# Altium PCB DB_Main-X02.PcbDoc (part 3 of 3)
Units mm, origin at the board's own origin, x right, y up, seen from the top; angles counter-clockwise.
Board outline 99.57 x 76.45 mm, 2 copper layers (Top Layer, Bottom Layer), stack 1.711 mm thick; 208 components, 125 nets, 636 pads, 236 vias.
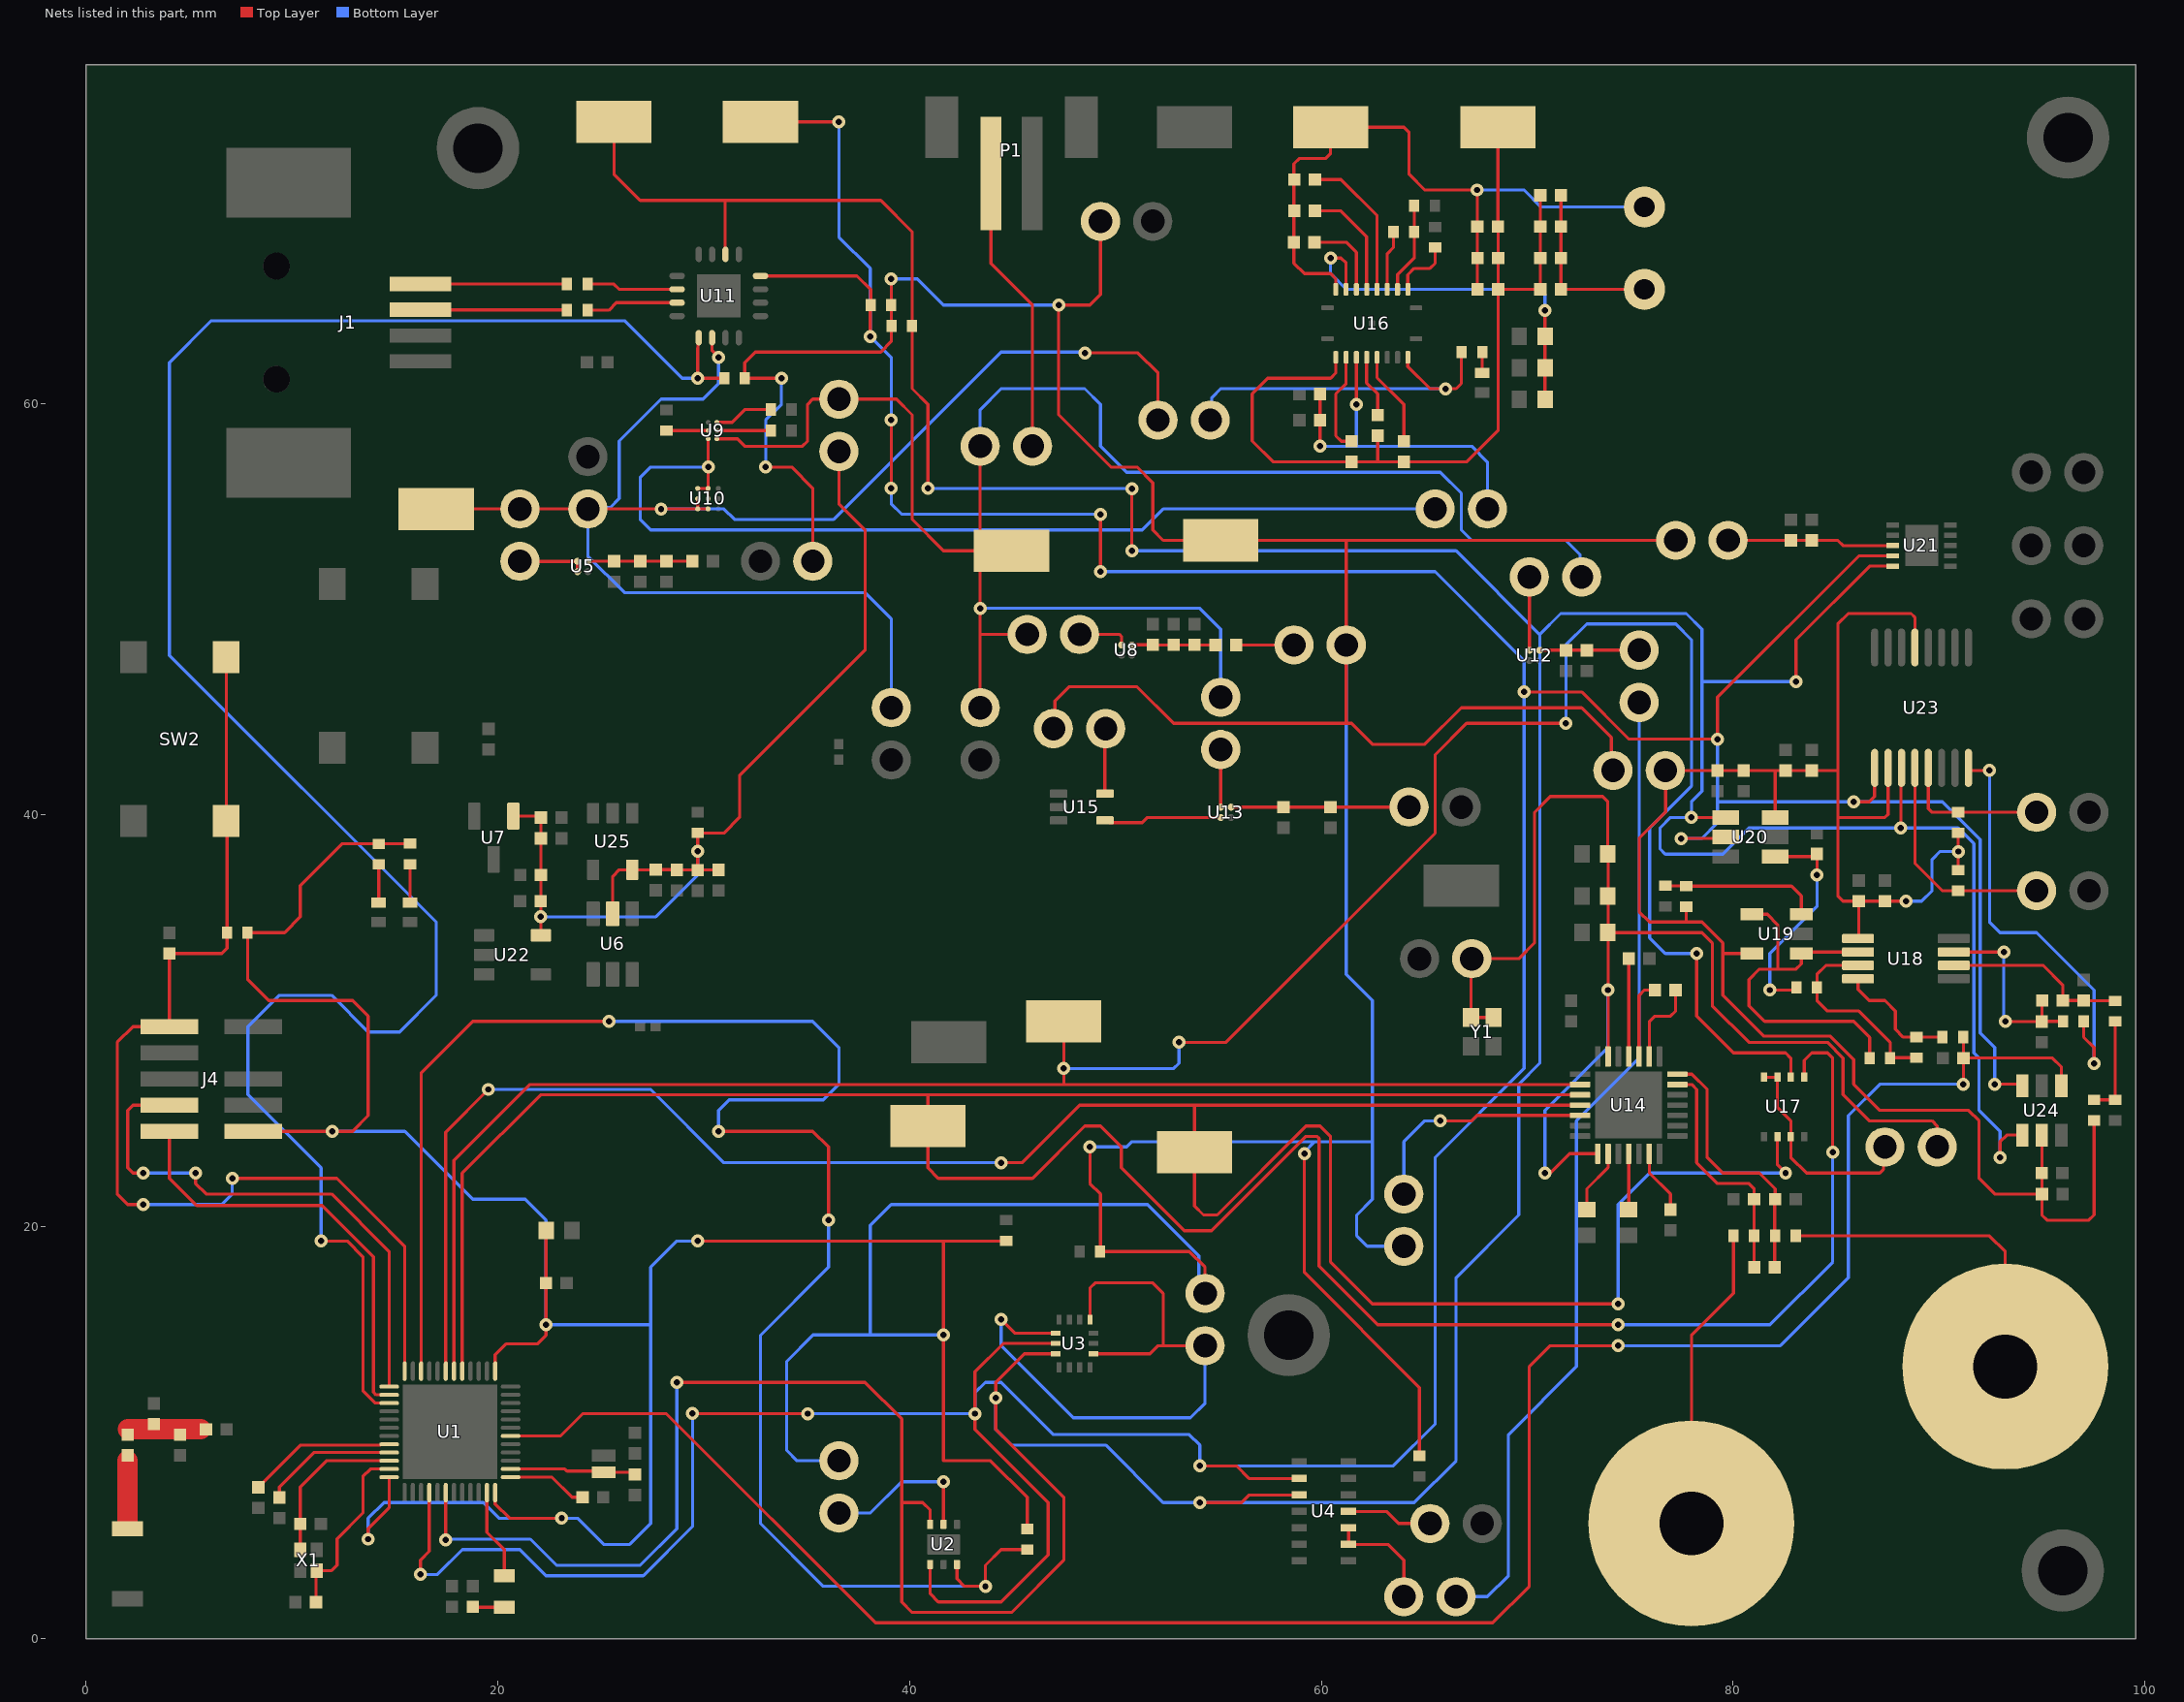
[diagram p3: the nets of this part, all layers, seen from the top]

## Via types
v1: diameter 0.635, hole 0.305, Top Layer to Bottom Layer, 235 vias
v2: diameter 0.635, hole 0.305, Top Layer to Bottom Layer, tented top, 1 vias

## Nets (pads, with @x,y where several pads share a name; then routed paths per layer and width w, separated by ;. In a path a pad name is that pad's centre, name@x,y a point inside that pad or via, vN(x,y) a via of type N, cw(c..) or ccw(c..) an arc to the next point about the centre after c; other vN are vias at no path point) (continued)
NetC3_1: C3.1 C6.1 C7.1 C8.2 C9.1 C11.1 C12.1 C13.2 C14.2 C15.2 TP13.1 U16.2 | length 43.2
  Top Layer w0.152: U16.2@60.706,62.232 60.706,61.468 60.452,61.214 57.404,61.214 56.642,60.452 56.642,58.166 57.65,57.158 C9.1@61.468,57.158 61.476,57.15 62.742,57.15 ; C3.1@62.738,58.42 62.738,57.154 62.742,57.15 ; TP13.1@68.58,73.406 C11.1@68.58,68.58 68.596,68.564 C12.1@68.596,67.056 ; C7.1@68.588,65.532 68.596,65.524 68.596,58.69 67.056,57.15 C6.1@64.008,57.15 62.742,57.15 ; C12.1@68.588,67.056 C12.1@68.596,67.056 ; C13.2@70.644,70.104 C8.2@70.644,68.58 C14.2@70.644,67.056 C15.2@70.644,65.532 C7.1@68.596,65.532 C12.1@68.596,67.056
NetC3_2: C3.2 U16.5 | length 3
  Top Layer w0.152: U16.5@62.206,62.232 62.206,60.984 62.738,60.452 C3.2@62.738,59.42
NetC4_1: C4.1 C5.1 C7.2 C10.1 C11.2 C12.2 L1.1 TP14.1 U16.19 | length 33.8
  Top Layer w0.152: C5.1@58.69,70.866 C5.1@58.698,70.874 ; U16.19@60.706,65.532 60.706,66.04 60.452,66.294 59.182,66.294 58.674,66.802 C4.1@58.674,67.818 58.674,71.628 58.928,71.882 60.198,71.882 60.452,72.136 TP14.1@60.452,73.406 64.008,73.406 64.262,73.152 64.262,71.12 65.024,70.358 v1(67.564,70.358) 67.58,70.342 C11.2@67.58,68.58 C7.2@67.58,65.532
  Bottom Layer w0.152: v1(67.564,70.358) 69.85,70.358 70.676,69.532 L1.1@75.692,69.532
NetC4_2: C4.2 U16.17 | length 4
  Top Layer w0.152: C4.2@59.674,67.818 61.214,67.818 61.706,67.326 U16.17@61.706,65.532
NetC5_2: C5.2 U16.15 | length 7.3
  Top Layer w0.152: C5.2@59.69,70.866 60.96,70.866 62.706,69.12 U16.15@62.706,65.532
NetC6_2: C6.2 U16.6 | length 4.6
  Top Layer w0.152: U16.6@62.706,62.232 62.706,61.246 64.008,59.944 C6.2@64.008,58.15 C6.2@64.024,58.166
NetC8_1: C8.1 C13.1 C14.1 C15.1 L1.2 | length 8.9
  Top Layer w0.152: C13.1@71.644,70.104 C8.1@71.644,68.58 C14.1@71.644,67.056 C15.1@71.644,65.532 L1.2@75.692,65.532 L1.2@75.882,65.722
NetC9_2: C9.2 U16.3 | length 4.9
  Top Layer w0.152: U16.3@61.206,62.232 61.206,60.952 60.706,60.452 60.706,58.42 60.968,58.158 C9.2@61.468,58.158
NetC10_2: C10.2 U16.16 | length 5.6
  Top Layer w0.152: C10.2@59.69,69.342 60.96,69.342 62.206,68.096 U16.16@62.206,65.532
NetC16_1: C16.1 C17.1 C18.1 U16.18 | length 18.8
  Top Layer w0.152: v1(60.452,67.056) 60.96,67.056 61.206,66.81 U16.18@61.206,65.532 ; C18.1@70.866,60.198 C17.1@70.866,61.722 C16.1@70.866,63.246 v1(70.866,64.516)
  Bottom Layer w0.152: v1(60.452,67.056) 60.452,66.294 61.214,65.532 70.612,65.532 70.866,65.278 v1(70.866,64.516)
NetC19_2: C19.2 U1.2 X2.2 | length 6.1
  Top Layer w0.152: U1.2@20.632,8.236 23.26,8.236 23.368,8.128 25.088,8.128 X2.2@25.146,8.07 26.572,8.07 C19.2@26.67,7.972
NetC20_2: C20.2 C21.2 TP15.1 U16.4 | length 17.6
  Top Layer w0.152: v1(59.944,57.912) C21.2@59.944,59.182 C20.2@59.944,60.452 ; v1(61.706,59.944) U16.4@61.706,62.232
  Bottom Layer w0.152: v1(59.944,57.912) 61.722,57.912 ; v1(61.706,59.944) 61.706,57.928 61.722,57.912 ; TP15.1@68.072,54.864 68.072,57.15 67.31,57.912 61.722,57.912
NetC22_1: C22.1 U1.34 X1.3 | length 7.9
  Top Layer w0.152: X1.3@10.414,4.302 C22.1@10.414,5.572 10.414,7.366 11.684,8.636 U1.34@14.732,8.636
NetC23_1: C23.1 U1.35 X1.1 | length 8.9
  Top Layer w0.152: C23.1@11.176,1.762 11.176,3.264 X1.1@11.214,3.302 11.938,3.302 12.208,3.572 12.208,4.842 13.462,6.096 13.462,7.874 13.824,8.236 U1.35@14.732,8.236
NetC24_1: C24.1 U1.1 | length 3.9
  Top Layer w0.152: U1.1@20.632,7.836 22.644,7.836 23.622,6.858 C24.1@24.13,6.858
NetC26_1: C26.1 U1.32 | length 7.2
  Top Layer w0.152: C26.1@8.382,7.35 10.43,9.398 14.306,9.398 14.344,9.436 U1.32@14.732,9.436
NetC27_1: C27.1 U1.33 | length 6.8
  Top Layer w0.152: C27.1@9.398,6.842 9.398,7.366 11.068,9.036 U1.33@14.732,9.036 ; C27.1@9.398,6.85 C27.1@9.544,6.996
NetC30_2: C30.2 C31.1 L4.1 L5.2 | length 3.6
  Top Layer w0.152: L4.1@2.032,10.144 L4.1@2.048,10.16
  Top Layer w0.991: L4.1@2.048,10.16 C30.2@5.588,10.16
NetC32_1: C32.1 C33.1 C36.2 L6.1 U8.A2 | length 4.1
  Top Layer w0.152: U8.A2@50.8,48.26 50.808,48.268 C32.1@51.816,48.268 ; C32.1@51.816,48.26 L6.1@54.872,48.26
NetC41_1: C41.1 C42.2 TP17.1 U12.A2 | length 4.6
  Top Layer w0.152: U12.A2@70.608,48.002 70.612,48.006 C42.2@72.644,48.006 ; C42.2@72.898,47.998 72.906,48.006 TP17.1@75.438,48.006
NetC43_1: C43.1 C44.2 TP16.1 U13.A2 | length 8.6
  Top Layer w0.152: U13.A2@55.618,40.378 55.626,40.386 TP16.1@64.262,40.386
NetC45_1: C45.1 U14.9 | length 4.2
  Top Layer w0.152: U14.9@75.93,28.268 75.93,29.956 76.2,30.226 76.962,30.226 77.208,30.472 C45.1@77.208,31.496
NetC45_2: C45.2 U14.10 | length 3.9
  Top Layer w0.152: U14.10@75.43,28.268 75.43,31.234 75.692,31.496 C45.2@76.208,31.496
NetC46_2: C46.2 U14.11 | length 4.8
  Top Layer w0.152: U14.11@74.93,28.268 C46.2@74.93,33.02
NetC47_2: C47.2 U14.23 | length 3.1
  Top Layer w0.152: C47.2@72.898,20.828 72.898,21.844 73.93,22.876 U14.23@73.93,23.548
NetC48_1: C48.1 U14.27 | length 3.1
  Top Layer w0.152: U14.27@75.93,23.548 75.93,22.622 76.962,21.59 C48.1@76.962,20.828
NetC49_2: C49.2 U14.25 | length 2.7
  Top Layer w0.152: C49.2@74.93,20.828 U14.25@74.93,23.548
NetC50_2: C50.2 C52.1 R26.2 U14.7 | length 12.8
  Top Layer w0.152: U14.7@77.29,27.408 78.002,27.408 78.74,26.67 78.74,23.368 79.502,22.606 81.28,22.606 82.042,21.844 C50.2@82.042,21.336 ; C52.1@82.026,18.034 82.026,19.558 C50.2@82.026,21.336
NetC51_1: C51.1 C52.2 R27.2 U14.6 | length 11.7
  Top Layer w0.152: U14.6@77.29,26.908 77.994,26.908 78.232,26.67 78.232,23.114 79.248,22.098 80.772,22.098 81.018,21.852 C51.1@81.018,21.336 81.026,21.328 81.026,19.558 C52.2@81.026,18.034
NetC54_1: C54.1 C55.1 C56.2 L7.1 U5.A2 | length 5.1
  Top Layer w0.152: U5.A2@24.38,52.32 24.384,52.324 C54.1@25.654,52.324 C55.1@26.924,52.324 C56.2@28.194,52.324 L7.1@29.464,52.324
NetC57_2: C57.2 C58.1 R36.2 U18.2 | length 9
  Top Layer w0.152: U18.2@90.717,32.695 95.067,32.695 96.012,31.75 C58.1@96.012,30.988 C57.2@97.028,30.988 97.044,30.972 R36.2@98.552,30.972
NetC58_2: C58.2 C59.1 R37.2 U18.3 | length 9.8
  Top Layer w0.152: U18.3@90.788,33.274 U18.3@90.717,33.345 v1(93.147,33.345) ; v1(93.218,29.972) 93.226,29.964 C59.1@94.996,29.964 ; C58.2@95.012,30.988 94.996,30.972 C59.1@94.996,29.964 ; R37.2@96.028,29.972 95.004,29.972 C59.1@94.996,29.964
  Bottom Layer w0.152: v1(93.147,33.345) 93.147,30.043 v1(93.218,29.972)
NetC67_1: C67.1 C68.1 TP44.2 U21.8 | length 8.1
  Top Layer w0.152: TP44.2@79.756,53.34 C67.1@82.804,53.34 C68.1@83.82,53.34 85.09,53.34 85.344,53.086 U21.8@87.754,53.086
NetD1_A: D1.A R6.1 | length 1
  Top Layer w0.152: D1.A@67.818,61.468 R6.1@67.818,62.484
NetD2_A: D2.A R4.2 | length 1.9
  Top Layer w0.152: D2.A@15.748,35.748 R4.2@15.748,37.608
NetD4_A: D4.A R16.2 | length 1.9
  Top Layer w0.152: D4.A@14.224,35.748 R16.2@14.224,37.6
NetE1_1: E1.1 L4.2 | length 3
  Top Layer w0.991: E1.1@2.032,5.588 L4.2@2.032,8.636
NetJ2_1: J2.1 R26.1 | length 16.1
  Top Layer w0.152: R26.1@83.042,19.558 92.456,19.558 93.218,18.796 J2.1@93.218,13.208
NetJ3_1: J3.1 R27.1 | length 14.8
  Top Layer w0.152: J3.1@77.978,5.588 77.978,14.732 80.018,16.772 R27.1@80.018,19.558
NetL2_2: L2.2 L3.1 | length 1.5
  Top Layer w0.152: L2.2@18.796,1.54 18.812,1.524 L3.1@20.32,1.524
NetL3_2: L3.2 U1.47 | length 4.4
  Top Layer w0.152: U1.47@19.482,7.086 19.482,5.156 20.32,4.318 L3.2@20.32,3.048
NetL6_2: L6.2 TP11.1 | length 2.8
  Top Layer w0.152: L6.2@55.872,48.26 TP11.1@58.674,48.26
NetP1_1: P1.1 TP18.2 | length 14.1
  Top Layer w0.152: P1.1@43.958,71.156 43.958,66.786 45.974,64.77 TP18.2@45.974,57.912
NetR8_2: R8.2 U9.B1 | length 2.6
  Top Layer w0.152: U9.B1@30.646,58.674 R8.2@33.274,58.674
NetR9_2: R9.2 U9.B2 | length 2
  Top Layer w0.152: R9.2@28.194,58.674 U9.B2@30.226,58.674
NetR11_2: R11.2 U9.C1 | length 2.9
  Top Layer w0.152: U9.C1@30.646,59.074 31.388,59.074 32.004,59.69 R11.2@33.274,59.69
NetR12_1: R12.1 R13.2 U16.13 | length 4.4
  Top Layer w0.152: U16.13@63.706,65.532 63.706,66.246 64.516,67.056 R12.1@64.516,69.596
NetR13_1: R13.1 U16.14 | length 2.9
  Top Layer w0.152: U16.14@63.206,65.532 63.206,67.27 63.508,67.572 R13.1@63.508,68.326
NetR14_1: R14.1 U16.12 | length 3
  Top Layer w0.152: U16.12@64.206,65.532 64.206,66.238 64.516,66.548 65.278,66.548 65.532,66.802 R14.1@65.532,67.564
NetR24_1: R24.1 R25.2 U18.8 | length 6.1
  Top Layer w0.152: U18.8@86.067,32.045 86.067,31.535 86.614,30.988 87.376,30.988 87.884,30.48 87.884,29.591 88.265,29.21 R25.2@88.9,29.21 R24.1@90.17,29.21
NetR25_1: R25.1 R31.2 R32.1 U18.7 | length 9.9
  Top Layer w0.152: U18.7@86.067,32.695 84.511,32.695 84.074,32.258 84.074,30.988 84.582,30.48 86.106,30.48 87.63,28.956 R31.2@87.63,28.194 87.646,28.21 R25.1@88.9,28.21
NetR28_2: R28.2 U11.7 | length 4.5
  Top Layer w0.152: R28.2@24.368,64.516 25.4,64.516 25.766,64.882 U11.7@28.702,64.882
NetR29_2: R29.2 U11.6 | length 4.4
  Top Layer w0.152: R29.2@24.368,65.786 25.654,65.786 25.908,65.532 U11.6@28.702,65.532
NetR31_1: R31.1 U18.6 U19.1 U19.4 | length 18.5
  Top Layer w0.152: U19.4@80.912,35.174 81.666,35.174 82.169,34.671 82.169,32.512 ; U18.6@86.067,33.345 83.383,33.345 U19.1@83.312,33.274 83.312,32.766 83.058,32.512 82.169,32.512 ; R31.1@86.63,28.194 86.63,29.194 85.852,29.972 81.534,29.972 80.772,30.734 80.772,32.004 81.28,32.512 82.169,32.512
NetR33_2: R33.2 R35.1 U19.3 | length 7.7
  Top Layer w0.152: R35.1@76.708,36.56 77.708,36.56 R33.2@77.724,36.544 82.836,36.544 83.312,36.068 U19.3@83.312,35.174 U19.3@83.328,35.158
NetTP24_1: TP24.1 U8.A1 | length 2.5
  Top Layer w0.152: TP24.1@48.26,48.768 50.211,48.768 50.3,48.679 U8.A1@50.3,48.26
NetTP26_1: TP26.1 U14.19 | length 11.6
  Top Layer w0.152: v1(65.786,25.146) 67.31,25.146 67.572,25.408 U14.19@72.57,25.408
  Bottom Layer w0.152: TP26.1@64.008,21.59 64.008,24.13 65.024,25.146 v1(65.786,25.146)
NetTP28_1: TP28.1 U5.A1 U5.B1 | length 3.3
  Top Layer w0.152: TP28.1@21.082,52.324 21.086,52.32 U5.A1@23.88,52.32 U5.B1@23.88,51.82
NetTP29_2: TP29.2 U4.11 | length 4.2
  Top Layer w0.152: U4.11@61.328,6.172 63.17,6.172 63.754,5.588 TP29.2@65.278,5.588
NetTP30_2: TP30.2 U4.9 U4.10 | length 5.6
  Top Layer w0.152: U4.10@61.328,5.372 U4.9@61.328,4.572 63.246,4.572 64.008,3.81 TP30.2@64.008,2.032
NetTP31_1: TP31.1 U13.A1 | length 2
  Top Layer w0.152: U13.A1@55.118,40.378 TP31.1@55.118,42.418
NetTP32_2: TP32.2 U15.5 | length 3.2
  Top Layer w0.152: U15.5@49.494,41.036 49.494,44.16 TP32.2@49.53,44.196
NetTP33_2: TP33.2 U12.A1 | length 3.6
  Top Layer w0.152: TP33.2@70.104,51.562 70.108,51.558 U12.A1@70.108,48.002
NetTP34_2: TP34.2 U3.5 U3.8 U3.12 | length 32.2
  Top Layer w0.152: v1(44.45,15.494) 45.113,14.831 U3.12@47.105,14.831 ; U3.8@48.768,15.494 48.768,17.018 49.022,17.272 51.816,17.272 52.324,16.764 52.324,14.224 ; U3.5@48.93,13.832 51.678,13.832 52.07,14.224 52.324,14.224 ; TP34.2@54.356,14.224 52.324,14.224
  Bottom Layer w0.152: v1(44.45,15.494) 44.45,14.224 47.955,10.719 53.645,10.719 54.356,11.43 TP34.2@54.356,14.224
NetTP35_2: TP35.2 U2.5 | length 7.8
  Top Layer w0.152: U2.5@41.656,5.547 v1(41.656,7.62)
  Bottom Layer w0.152: TP35.2@36.576,6.096 38.1,6.096 39.624,7.62 v1(41.656,7.62)
NetTP39_2: TP39.2 U17.3 U17.7 U17.8 | length 10.8
  Top Layer w0.152: U17.8@81.504,27.264 U17.7@82.154,27.264 82.154,25.796 82.804,25.146 U17.3@82.804,24.384 82.804,23.368 83.566,22.606 87.122,22.606 87.3,22.784 87.3,23.8 TP39.2@87.376,23.876
NetU13_B1: U13.B1 U15.4 | length 5.8
  Top Layer w0.152: U15.4@49.494,39.848 49.718,39.624 51.308,39.624 51.562,39.878 U13.B1@55.118,39.878
nRESET: C40.2 J4.10 R18.2 SW2.1 SW2.2 U1.24 | length 53.4
  Top Layer w0.152: v1(2.794,21.082) 2.032,21.082 1.524,21.59 1.524,28.956 2.286,29.718 4.061,29.718 4.061,33.271 C40.2@4.064,33.274 6.604,33.274 6.858,33.528 R18.2@6.858,34.29 6.858,39.677 SW2.2@6.822,39.713 SW2.1@6.822,47.663 ; v1(7.112,22.352) 12.192,22.352 13.97,20.574 15.482,19.062 U1.24@15.482,12.986
  Bottom Layer w0.152: v1(2.794,21.082) 6.604,21.082 7.112,21.59 v1(7.112,22.352)
SCL_I2C: R5.2 TP1.1 U1.40 U2.1 U3.13 U4.2 U11.16 U20.5 U21.9 U23.1 U24.3 | length 260.8
  Top Layer w0.152: v1(16.256,3.111) 16.256,3.81 16.682,4.236 U1.40@16.682,7.086 ; v1(29.469,10.927) 29.474,10.922 v1(35.052,10.922) ; U11.16@32.752,66.182 37.45,66.182 38.116,65.516 R5.2@38.116,64.77 ; TP1.1@32.766,73.66 v1(36.576,73.66) ; v1(38.1,63.246) R5.2@38.1,64.77 ; v1(39.116,55.88) v1(39.116,59.182) ; U2.1@41.006,3.597 41.006,2.174 41.402,1.778 44.45,1.778 46.736,4.064 46.736,6.604 43.18,10.16 v1(43.18,10.922) 43.18,12.954 44.558,14.332 U3.13@47.105,14.332 ; v1(49.276,51.816) v1(49.276,54.61) ; v1(54.102,8.382) 55.88,8.382 56.49,7.772 U4.2@58.928,7.772 ; v1(69.85,45.974) 72.644,45.974 74.93,43.688 v1(79.248,43.688) 79.248,45.72 86.114,52.586 U21.9@87.754,52.586 ; v1(77.47,38.862) 79.576,38.862 U20.5@79.642,38.928 ; v1(85.852,40.64) 86.614,40.64 86.868,40.894 86.868,42.276 U23.1@86.879,42.287 ; v1(92.71,26.924) 93.976,26.924 U24.3@94.046,26.854
  Bottom Layer w0.152: v1(16.256,3.111) 17.081,3.111 18.288,4.318 21.082,4.318 22.352,3.048 27.073,3.048 29.464,5.439 29.464,10.922 v1(29.469,10.927) ; v1(35.052,10.922) v1(43.18,10.922) 43.18,11.938 43.688,12.446 44.45,12.446 46.99,9.906 53.594,9.906 54.102,9.398 v1(54.102,8.382) 63.5,8.382 65.532,10.414 65.532,23.368 69.85,27.686 v1(69.85,45.974) 69.85,47.498 65.532,51.816 v1(49.276,51.816) ; v1(36.576,73.66) 36.576,68.072 38.1,66.548 v1(38.1,63.246) 39.116,62.23 v1(39.116,59.182) ; v1(39.116,55.88) 39.116,55.118 39.624,54.61 v1(49.276,54.61) ; v1(77.47,38.862) 78.486,38.862 79.248,39.624 79.248,40.64 ; v1(79.248,43.688) 79.248,40.64 ; v1(92.71,26.924) 92.71,28.702 91.999,29.413 91.999,38.811 90.17,40.64 v1(85.852,40.64) 79.248,40.64
SDA_I2C: R7.2 TP2.1 U1.42 U2.6 U3.14 U4.3 U11.2 U20.4 U21.10 U23.3 U24.4 | length 280.3
  Top Layer w0.152: v1(17.482,4.788) U1.42@17.482,7.086 ; TP2.1@25.654,73.66 25.654,71.12 26.924,69.85 31.052,69.85 ; v1(28.702,12.446) 37.846,12.446 39.624,10.668 39.624,6.604 ; U11.2@31.052,67.232 31.052,69.85 ; R7.2@40.124,63.754 40.132,63.746 40.132,60.706 40.894,59.944 v1(40.894,55.88) ; R7.2@40.132,63.754 40.132,68.326 38.608,69.85 31.052,69.85 ; U2.6@41.006,5.547 41.006,6.238 40.64,6.604 39.624,6.604 ; U3.14@47.105,13.832 45.582,13.832 44.196,12.446 v1(44.196,11.684) 44.196,10.16 47.498,6.858 47.498,3.81 44.958,1.27 40.132,1.27 39.624,1.778 39.624,6.604 ; v1(50.8,52.832) v1(50.8,55.842) ; v1(54.102,6.604) 56.134,6.604 56.502,6.972 U4.3@58.928,6.972 ; v1(77.978,39.878) U20.4@79.642,39.878 ; v1(83.058,46.482) 83.058,48.514 86.63,52.086 U21.10@87.754,52.086 ; v1(88.138,39.37) 88.159,39.391 88.159,42.266 U23.3@88.179,42.287 ; v1(92.964,23.368) 92.964,24.13 93.288,24.454 U24.4@94.046,24.454
  Bottom Layer w0.152: v1(17.482,4.788) 17.52,4.826 21.59,4.826 22.86,3.556 26.924,3.556 28.702,5.334 v1(28.702,12.446) ; v1(40.894,55.88) 40.913,55.861 50.781,55.861 v1(50.8,55.842) ; v1(44.196,11.684) 44.196,10.16 44.958,9.398 49.53,9.398 52.324,6.604 v1(54.102,6.604) 64.516,6.604 66.548,8.636 66.548,17.526 69.596,20.574 69.596,26.924 70.612,27.94 70.612,48.768 ; v1(50.8,52.832) 66.548,52.832 70.612,48.768 ; v1(83.058,46.482) 78.486,46.482 ; v1(92.964,23.368) 92.964,24.638 91.948,25.654 91.948,28.194 91.694,28.448 91.694,38.608 90.932,39.37 v1(88.138,39.37) 80.772,39.37 79.502,38.1 76.708,38.1 76.454,38.354 76.454,39.37 76.962,39.878 v1(77.978,39.878) 77.978,40.64 78.486,41.148 78.486,46.482 ; 70.612,48.768 71.628,49.784 77.724,49.784 78.486,49.022 78.486,46.482
SG_S1: R10.2 TP25.2 U23.4 | length 11.1
  Top Layer w0.152: U23.4@88.829,42.287 88.829,37.663 90.17,36.322 TP25.2@94.742,36.322
SG_S2: R22.2 TP45.2 U23.5 | length 7.3
  Top Layer w0.152: U23.5@89.479,42.287 89.479,40.315 89.662,40.132 TP45.2@94.742,40.132
SPI_CLK: TP9.1 U1.18 U14.16 U17.6 | length 141.6
  Top Layer w0.152: U1.18@17.882,12.986 17.882,23.216 21.574,26.908 50.546,26.908 U14.16@72.57,26.908 ; 47.498,26.924 v1(47.498,27.686) TP9.1@47.498,29.972 ; v1(53.086,28.956) 55.372,28.956 65.532,39.116 65.532,42.926 67.056,44.45 v1(71.882,44.45) ; v1(78.232,33.274) 78.232,30.226 80.01,28.448 82.55,28.448 82.804,28.194 U17.6@82.804,27.264
  Bottom Layer w0.152: v1(47.498,27.686) 52.832,27.686 53.086,27.94 v1(53.086,28.956) ; v1(71.882,44.45) 71.882,48.26 72.898,49.276 77.216,49.276 77.978,48.514 77.978,41.402 75.946,39.37 75.946,34.036 76.708,33.274 v1(78.232,33.274)
SPI_SDI: TP6.1 U1.17 U14.17 U17.5 | length 139.9
  Top Layer w0.152: U1.17@18.282,12.986 18.282,22.6 22.09,26.408 40.894,26.408 ; U14.17@72.57,26.408 45.974,26.408 40.894,26.408 ; v1(74.422,15.24) 62.738,15.24 59.891,18.087 59.891,24.295 59.802,24.384 59.235,24.384 54.663,19.812 53.34,19.812 50.292,22.86 50.292,23.876 49.276,24.892 48.514,24.892 45.974,22.352 41.402,22.352 40.894,22.86 TP6.1@40.894,24.892 40.894,26.408 ; U17.5@83.454,27.264 83.454,28.082 83.82,28.448 84.582,28.448 84.836,28.194 v1(84.836,23.622)
  Bottom Layer w0.152: v1(74.422,15.24) 81.788,15.24 84.836,18.288 v1(84.836,23.622)
SPI_SDO: TP10.1 U1.19 U14.18 U17.2 | length 120.3
  Top Layer w0.152: U1.19@17.482,12.986 17.482,24.594 v1(19.558,26.67) ; v1(44.45,23.114) 45.466,23.114 48.26,25.908 53.848,25.908 ; U14.18@72.57,25.908 53.848,25.908 ; v1(74.422,16.256) 62.484,16.256 60.452,18.288 60.452,24.384 59.944,24.892 59.259,24.892 54.941,20.574 54.28,20.574 53.848,21.006 TP10.1@53.848,23.622 53.848,25.908 ; U17.2@82.154,24.384 82.154,23.002 v1(82.55,22.606)
  Bottom Layer w0.152: v1(19.558,26.67) 27.432,26.67 30.988,23.114 v1(44.45,23.114) ; v1(74.422,16.256) 74.422,21.082 75.946,22.606 v1(82.55,22.606)
SWD_CLK: J4.4 U1.25 | length 26.2
  Top Layer w0.152: v1(2.794,22.606) 2.286,22.606 2.032,22.86 2.032,25.654 2.286,25.908 J4.4@4.061,25.908 ; v1(5.334,22.606) 5.334,22.098 5.842,21.59 11.938,21.59 14.732,18.796 U1.25@14.732,12.236
  Bottom Layer w0.152: v1(2.794,22.606) v1(5.334,22.606)
SWD_DIO: J4.2 U1.26 | length 21.2
  Top Layer w0.152: J4.2@4.061,24.638 4.061,22.355 5.385,21.031 11.481,21.031 13.97,18.542 13.97,11.961 14.095,11.836 U1.26@14.732,11.836
TMP117_ALERT: R17.2 U1.22 U2.3 | length 88.6
  Top Layer w0.152: U1.22@16.282,12.986 16.282,27.458 18.796,29.972 v1(25.4,29.972) ; v1(30.734,24.638) 35.306,24.638 36.068,23.876 v1(36.068,20.32) ; U2.3@42.306,3.597 42.306,2.906 42.672,2.54 v1(43.688,2.54) 43.688,3.556 44.45,4.318 R17.2@45.72,4.318
  Bottom Layer w0.152: v1(25.4,29.972) 35.306,29.972 36.576,28.702 36.576,26.924 35.814,26.162 31.242,26.162 30.734,25.654 v1(30.734,24.638) ; v1(36.068,20.32) 36.068,18.034 32.766,14.732 32.766,5.588 35.814,2.54 v1(43.688,2.54)
USB_D+: J1.3 R29.1 | length 6.9
  Top Layer w0.152: J1.3@16.51,65.786 R29.1@23.368,65.786
USB_D-: J1.2 R28.1 | length 6.9
  Top Layer w0.152: J1.2@16.51,64.536 23.348,64.536 R28.1@23.368,64.516
USB_RESET: R34.2 U1.27 U11.9 | length 100.4
  Top Layer w0.152: v1(11.43,19.304) 12.7,19.304 13.462,18.542 13.462,12.038 14.064,11.436 U1.27@14.732,11.436 ; U11.9@29.752,63.04 29.724,63.012 29.724,62.682 29.718,62.677 v1(29.718,61.214) R34.2@31.004,61.214
  Bottom Layer w0.152: v1(11.43,19.304) 11.43,22.86 7.874,26.416 7.874,29.718 9.398,31.242 11.938,31.242 13.716,29.464 15.24,29.464 17.018,31.242 17.018,34.798 4.064,47.752 4.064,61.976 6.096,64.008 26.162,64.008 28.956,61.214 v1(29.718,61.214)
V_BATT: TP4.1 TP18.1 TP21.1 TP23.1 TP24.2 TP31.2 TP33.1 U9.A1 | length 90.9
  Top Layer w0.152: U9.A1@30.646,58.274 31.642,58.274 32.004,57.912 34.798,57.912 35.052,58.166 35.052,59.944 35.306,60.198 TP23.1@36.576,60.198 39.37,60.198 40.132,59.436 40.132,54.356 41.656,52.832 TP4.1@43.434,52.832 ; TP21.1@43.434,45.212 43.434,48.768 ; TP18.1@43.434,57.912 TP4.1@43.434,52.832 ; TP4.1@44.958,52.832 TP4.1@43.434,52.832 ; TP24.2@45.72,48.768 43.434,48.768 ; 43.434,48.768 v1(43.434,50.038) TP4.1@43.434,52.832
  Bottom Layer w0.152: v1(43.434,50.038) 54.102,50.038 55.118,49.022 TP31.2@55.118,45.72 ; TP18.1@43.434,57.912 43.434,59.69 44.45,60.706 48.514,60.706 49.276,59.944 49.276,59.182 49.276,57.912 50.546,56.642 65.786,56.642 66.802,55.626 66.802,53.848 67.31,53.34 71.882,53.34 72.568,52.654 72.568,51.638 TP33.1@72.644,51.562
V_CHARGE_LED: R6.2 TP38.2 U16.9 | length 17.8
  Top Layer w0.152: U16.9@64.206,62.232 64.206,61.778 65.278,60.706 v1(66.04,60.706) 66.548,60.706 66.802,60.96 66.802,62.468 R6.2@66.818,62.484
  Bottom Layer w0.152: TP38.2@54.61,59.182 54.686,59.258 54.686,60.274 55.118,60.706 v1(66.04,60.706)
V_ECG: C37.1 C38.1 C39.1 TP27.2 TP39.1 U14.13 U14.22 Y1.1 Y1.4 | length 66.9
  Top Layer w0.152: Y1.4@68.368,30.164 Y1.1@67.268,30.164 67.268,32.978 TP27.2@67.31,33.02 69.596,33.02 70.358,33.782 70.358,40.132 71.12,40.894 73.66,40.894 73.914,40.64 C39.1@73.914,38.1 73.93,38.084 C37.1@73.93,34.29 ; v1(70.866,22.606) 71.12,22.606 72.062,23.548 U14.22@73.43,23.548 ; C37.1@73.914,34.29 C37.1@73.93,34.29 ; U14.13@73.93,28.268 C37.1@73.93,34.29 ; TP39.1@89.916,23.876 89.916,24.892 89.662,25.146 86.614,25.146 85.344,26.416 85.344,28.194 84.582,28.956 80.772,28.956 78.994,30.734 78.994,33.782 78.486,34.29 C37.1@73.93,34.29
  Bottom Layer w0.152: v1(70.866,22.606) 70.866,25.654 73.914,28.702 v1(73.914,31.496)
V_HE: C34.1 C35.2 C66.1 C73.2 C74.1 C75.2 C77.1 C78.2 R3.1 TP23.2 U6.5 U7.1 U22.5 U25.5 | length 48.8
  Top Layer w0.152: U7.1@20.762,39.946 22.03,39.946 C66.1@22.098,39.878 C73.2@22.098,38.862 C75.2@22.098,37.084 v1(22.098,35.052) U22.5@22.098,34.158 ; U6.5@25.588,35.208 25.588,37.018 25.908,37.338 U25.5@26.538,37.338 27.678,37.338 C34.1@27.686,37.346 27.69,37.342 C35.2@28.702,37.342 ; C35.2@28.702,37.338 28.71,37.33 C78.2@29.718,37.33 ; C78.2@29.718,37.322 C78.2@29.718,37.33 ; C77.1@30.734,37.33 C78.2@29.718,37.33 ; TP23.2@36.576,57.658 36.576,55.118 37.846,53.848 37.846,48.006 31.75,41.91 31.75,39.878 30.988,39.116 29.734,39.116 R3.1@29.718,39.132 v1(29.718,38.231) C78.2@29.718,37.33
  Bottom Layer w0.152: v1(22.098,35.052) 27.686,35.052 29.718,37.084 v1(29.718,38.231)
V_MAX30102_LED: TP17.2 TP30.1 | length 48
  Bottom Layer w0.152: TP30.1@66.548,2.032 68.072,2.032 69.088,3.048 69.088,9.906 72.39,13.208 72.39,25.146 75.438,28.194 TP17.2@75.438,45.466
V_USB: TP5.1 TP12.1 TP20.1 TP28.2 TP38.1 U10.A2 U10.A3 U10.B3 U11.10 | length 79.6
  Top Layer w0.152: TP5.1@17.018,54.864 TP28.2@21.082,54.864 TP12.1@24.384,54.864 v1(27.94,54.864) U10.A3@29.718,54.864 ; U10.B3@29.718,55.364 U10.A3@29.718,54.864 ; U10.A2@30.218,54.864 U10.A3@29.718,54.864 ; U11.10@30.416,63.182 30.416,62.548 v1(30.734,62.23) ; v1(48.514,62.446) 51.092,62.446 52.07,61.468 TP38.1@52.07,59.182
  Bottom Layer w0.152: v1(27.94,54.864) 30.988,54.864 31.496,54.356 36.322,54.356 44.45,62.484 48.476,62.484 v1(48.514,62.446) ; v1(30.734,62.23) 30.734,60.96 29.972,60.198 27.94,60.198 25.908,58.166 25.908,55.372 25.476,54.94 24.46,54.94 TP12.1@24.384,54.864 24.384,52.578 26.162,50.8 37.846,50.8 39.116,49.53 TP20.1@39.116,45.212
V_USB_BLOCKING: TP15.2 U9.A2 U10.B2 U10.C2 U10.C3 | length 48.2
  Top Layer w0.152: U10.C3@29.718,55.864 U10.C2@30.218,55.864 ; U10.B2@30.218,55.364 U10.C2@30.218,55.864 ; U9.A2@30.226,58.274 30.218,58.266 U10.C2@30.218,55.864
  Bottom Layer w0.152: v1(30.226,56.896) 27.432,56.896 26.924,56.388 26.924,54.356 27.432,53.848 51.308,53.848 52.324,54.864 TP15.2@65.532,54.864
VCC: C28.1 C29.2 J4.1 R4.1 R5.1 R7.1 R16.1 R17.1 R18.1 R20.1 R21.1 R30.1 R34.1 TP7.1 TP11.2 TP26.2 TP32.1 TP34.1 TP35.1 TP36.2 TP37.1 TP43.1 TP44.1 U1.13 U1.36 U1.48 | length 367.3
  Top Layer w0.152: J4.1@8.131,24.638 v1(11.976,24.638) 12.954,24.638 13.716,25.4 13.716,30.226 12.954,30.988 8.89,30.988 7.858,32.02 R18.1@7.858,34.29 9.652,34.29 10.414,35.052 10.414,36.576 12.438,38.6 R16.1@14.224,38.6 14.232,38.608 R4.1@15.748,38.608 ; v1(13.716,4.826) 13.716,5.334 14.732,6.35 U1.36@14.732,7.836 ; U1.48@19.882,7.086 19.882,6.534 20.574,5.842 v1(23.114,5.842) ; U1.13@19.882,12.986 19.882,13.786 20.402,14.306 21.926,14.306 22.352,14.732 v1(22.352,15.24) C28.1@22.352,17.272 C29.2@22.352,19.812 ; v1(29.718,19.304) 41.656,19.304 ; v1(33.02,56.896) 34.29,56.896 35.306,55.88 TP36.2@35.306,52.324 ; v1(33.782,61.214) R34.1@32.004,61.214 32.004,61.976 32.512,62.484 38.608,62.484 39.116,62.992 R5.1@39.116,64.77 v1(39.116,66.04) ; v1@41.745,14.831 v1(41.656,14.742) ; R21.1@44.704,19.32 44.688,19.304 41.656,19.304 ; R17.1@45.72,5.318 45.72,6.858 43.942,8.636 41.656,8.636 v1(41.656,14.742) ; TP32.1@46.99,44.196 47.066,44.272 47.066,45.542 47.752,46.228 51.054,46.228 52.832,44.45 61.214,44.45 ; v1(48.768,23.876) 48.768,22.098 49.276,21.59 49.276,18.812 R20.1@49.26,18.796 53.594,18.796 54.356,18.034 TP34.1@54.356,16.764 ; TP37.1@49.276,68.834 49.276,65.278 48.768,64.77 v1(47.244,64.77) 47.244,59.436 49.784,56.896 51.054,56.896 51.816,56.134 51.816,53.848 52.324,53.34 TP7.1@55.118,53.34 61.214,53.34 ; v1(59.182,23.558) 59.182,17.78 64.77,12.192 R30.1@64.77,8.874 ; TP43.1@74.168,42.164 74.092,42.24 74.092,43.764 72.644,45.212 66.802,45.212 65.024,43.434 62.484,43.434 61.468,44.45 61.214,44.45 ; TP44.1@77.216,53.34 61.214,53.34 ; v1(41.656,14.742) 41.656,19.304 ; 61.214,44.45 TP11.2@61.214,48.26 61.214,53.34
  Bottom Layer w0.152: v1(11.976,24.638) 15.494,24.638 18.796,21.336 21.336,21.336 22.352,20.32 v1(22.352,15.24) 27.432,15.24 ; v1(13.716,4.826) 13.716,5.842 14.478,6.604 19.304,6.604 20.066,5.842 v1(23.114,5.842) 23.876,5.842 25.146,4.572 26.416,4.572 27.432,5.588 27.432,15.24 ; v1(29.718,19.304) 28.702,19.304 27.432,18.034 27.432,15.24 ; v1(33.02,56.896) 33.02,59.182 33.782,59.944 v1(33.782,61.214) ; TP35.1@36.576,8.636 34.544,8.636 34.036,9.144 34.036,13.462 35.316,14.742 38.1,14.742 ; v1(39.116,66.04) 40.386,66.04 41.656,64.77 v1(47.244,64.77) ; v1(41.656,14.742) 38.1,14.742 ; v1(48.768,23.876) 50.546,23.876 50.8,24.13 59.68,24.13 59.182,23.632 v1(59.182,23.558) ; TP34.1@54.356,16.764 54.054,17.066 54.054,18.59 51.562,21.082 39.116,21.082 38.1,20.066 38.1,14.742 ; 59.685,24.13 62.484,24.13 ; TP11.2@61.214,48.26 61.214,32.258 62.484,30.988 62.484,24.13 ; TP26.2@64.008,19.05 62.23,19.05 61.722,19.558 61.722,20.574 62.484,21.336 62.484,24.13
VCC_SG: C60.1 C61.1 C64.1 C65.1 C69.1 C70.1 C71.1 C72.1 R10.1 R19.1 R22.1 R33.1 TP43.2 U18.5 U19.5 U20.3 U23.2 U23.13 U24.5 | length 95.5
  Top Layer w0.152: R33.1@77.724,35.544 77.724,34.798 ; U19.5@80.912,33.274 79.502,33.274 ; U20.3@82.042,39.878 82.042,42.164 ; U18.5@86.067,33.995 86.106,34.034 C61.1@86.106,35.814 ; U23.2@87.529,42.287 87.529,40.031 87.376,39.878 85.09,39.878 ; v1(88.392,35.814) C60.1@87.376,35.814 C61.1@86.106,35.814 ; U23.13@88.829,48.137 88.829,49.601 88.646,49.784 85.598,49.784 85.09,49.276 85.09,42.164 ; R10.1@90.932,37.322 v1(90.932,38.227) R22.1@90.932,39.132 ; U24.5@94.996,24.454 95.004,24.446 C70.1@95.004,21.59 ; R19.1@97.536,25.162 97.536,20.574 97.282,20.32 95.25,20.32 94.996,20.574 94.996,21.582 C70.1@95.004,21.59 ; 77.724,34.798 78.486,34.798 79.502,33.782 79.502,33.274 ; 77.724,34.798 75.946,34.798 75.438,35.306 75.438,38.862 76.724,40.148 76.724,42.148 TP43.2@76.708,42.164 C65.1@79.248,42.164 C64.1@80.518,42.164 82.042,42.164 ; 79.502,33.274 79.502,31.242 81.483,29.261 84.708,29.261 85.852,28.117 85.852,26.924 87.122,25.654 91.44,25.654 91.948,25.146 91.948,22.352 92.71,21.59 C70.1@95.004,21.59 ; 82.042,42.164 C72.1@82.55,42.164 C71.1@83.82,42.164 85.09,42.164 ; 85.09,39.878 85.09,42.164 ; 85.09,39.878 85.09,36.068 85.344,35.814 C61.1@86.106,35.814
  Bottom Layer w0.152: v1(88.392,35.814) 89.154,35.814 89.662,36.322 89.662,37.846 90.043,38.227 v1(90.932,38.227)
WB_REF_DAC: C63.1 R32.2 U20.1 | length 11
  Top Layer w0.152: v1(81.788,31.496) 82.947,31.496 R32.2@83.074,31.623 ; U20.1@82.042,37.978 83.952,37.978 84.074,38.1 v1(84.074,37.084)
  Bottom Layer w0.152: v1(81.788,31.496) 81.788,33.274 84.074,35.56 v1(84.074,37.084)
WB_V1: R37.1 U23.8 | length 20.7
  Top Layer w0.152: U23.8@91.429,42.287 91.429,42.255 91.52,42.164 v1(92.456,42.164) ; R37.1@97.028,29.972 97.028,29.21 97.536,28.702 v1(97.536,27.94)
  Bottom Layer w0.152: v1(92.456,42.164) 92.456,34.798 92.964,34.29 94.742,34.29 97.536,31.496 v1(97.536,27.94)
WB_V2: R19.2 R23.1 R36.1 | length 4.8
  Top Layer w0.152: R19.2@97.536,26.162 R23.1@98.552,26.162 R36.1@98.552,29.972
WB_V_OUT: C62.1 R24.2 U1.6 U24.1 | length 105
  Top Layer w0.152: U1.6@20.632,9.836 23.044,9.836 24.13,10.922 28.194,10.922 38.354,0.762 68.326,0.762 70.104,2.54 70.104,13.208 71.12,14.224 v1(74.422,14.224) ; R24.2@91.17,29.21 91.186,29.194 C62.1@91.186,28.194 ; v1(91.186,26.924) C62.1@91.186,28.194 ; U24.1@95.946,26.854 95.946,27.752 95.504,28.194 C62.1@91.186,28.194
  Bottom Layer w0.152: v1(74.422,14.224) 82.296,14.224 85.598,17.526 85.598,25.4 87.122,26.924 v1(91.186,26.924)
pads on no net: E1.2 J1.MH1 J1.MH2 J4.6 J4.8 J4.9 J5.11 J6.11 J7.11 J8.11 P1.MP1 P1.MP2 U1.4 U1.5 U1.7 U1.11 U1.12 U1.23 U1.41 U1.43 U1.44 U3.2 U3.3 U3.10 U3.11 U4.1 U4.5 U4.6 U4.7 U4.8 U4.14 U10.B1 U11.4 U11.5 U11.8 U11.11 U11.12 U11.14 U11.15 U14.1 U14.2 U14.4 U14.5 U14.24 U14.26 U21.5 U21.11 U23.6 U23.7 U23.9 U23.10 U23.11 U23.12
copper on no net:
  other v2: 89.154,53.086

## Polygon pours and split planes (outlines as drawn)
GND on Bottom Layer "GND_L02_P001" (solid, pour order 1): 3.81,0 3.81,8.382 0,8.382 0,76.454 99.568,76.454 99.568,0
GND on Top Layer "GND_L01_P000" (solid, pour order 0): 3.81,0 3.81,8.382 0,8.382 0,76.454 99.568,76.454 99.568,0

## Keep-outs
Keep-Out Layer:
  the board outline again, w0.254

## Silkscreen, mask and mechanical layers (free items; w line width, h text height)
Top Overlay:
  lines w0.254: 0.254,0.254 99.314,0.254 99.314,76.2 0.254,76.2 0.254,0.254
Bottom Overlay:
  lines w0.254: 0.254,0.254 99.314,0.254 99.314,76.2 0.254,76.2 0.254,0.254
Board_Outline:
  the board outline again, w0.254